# Altium PCB PCB1.PcbDoc (part 2 of 2)
Units mil, origin at the board's own origin, x right, y up, seen from the top; angles counter-clockwise.
Board outline 3150 x 2250 mil, 2 copper layers (Top Layer, Bottom Layer); 106 components, 101 nets, 473 pads, 166 vias.
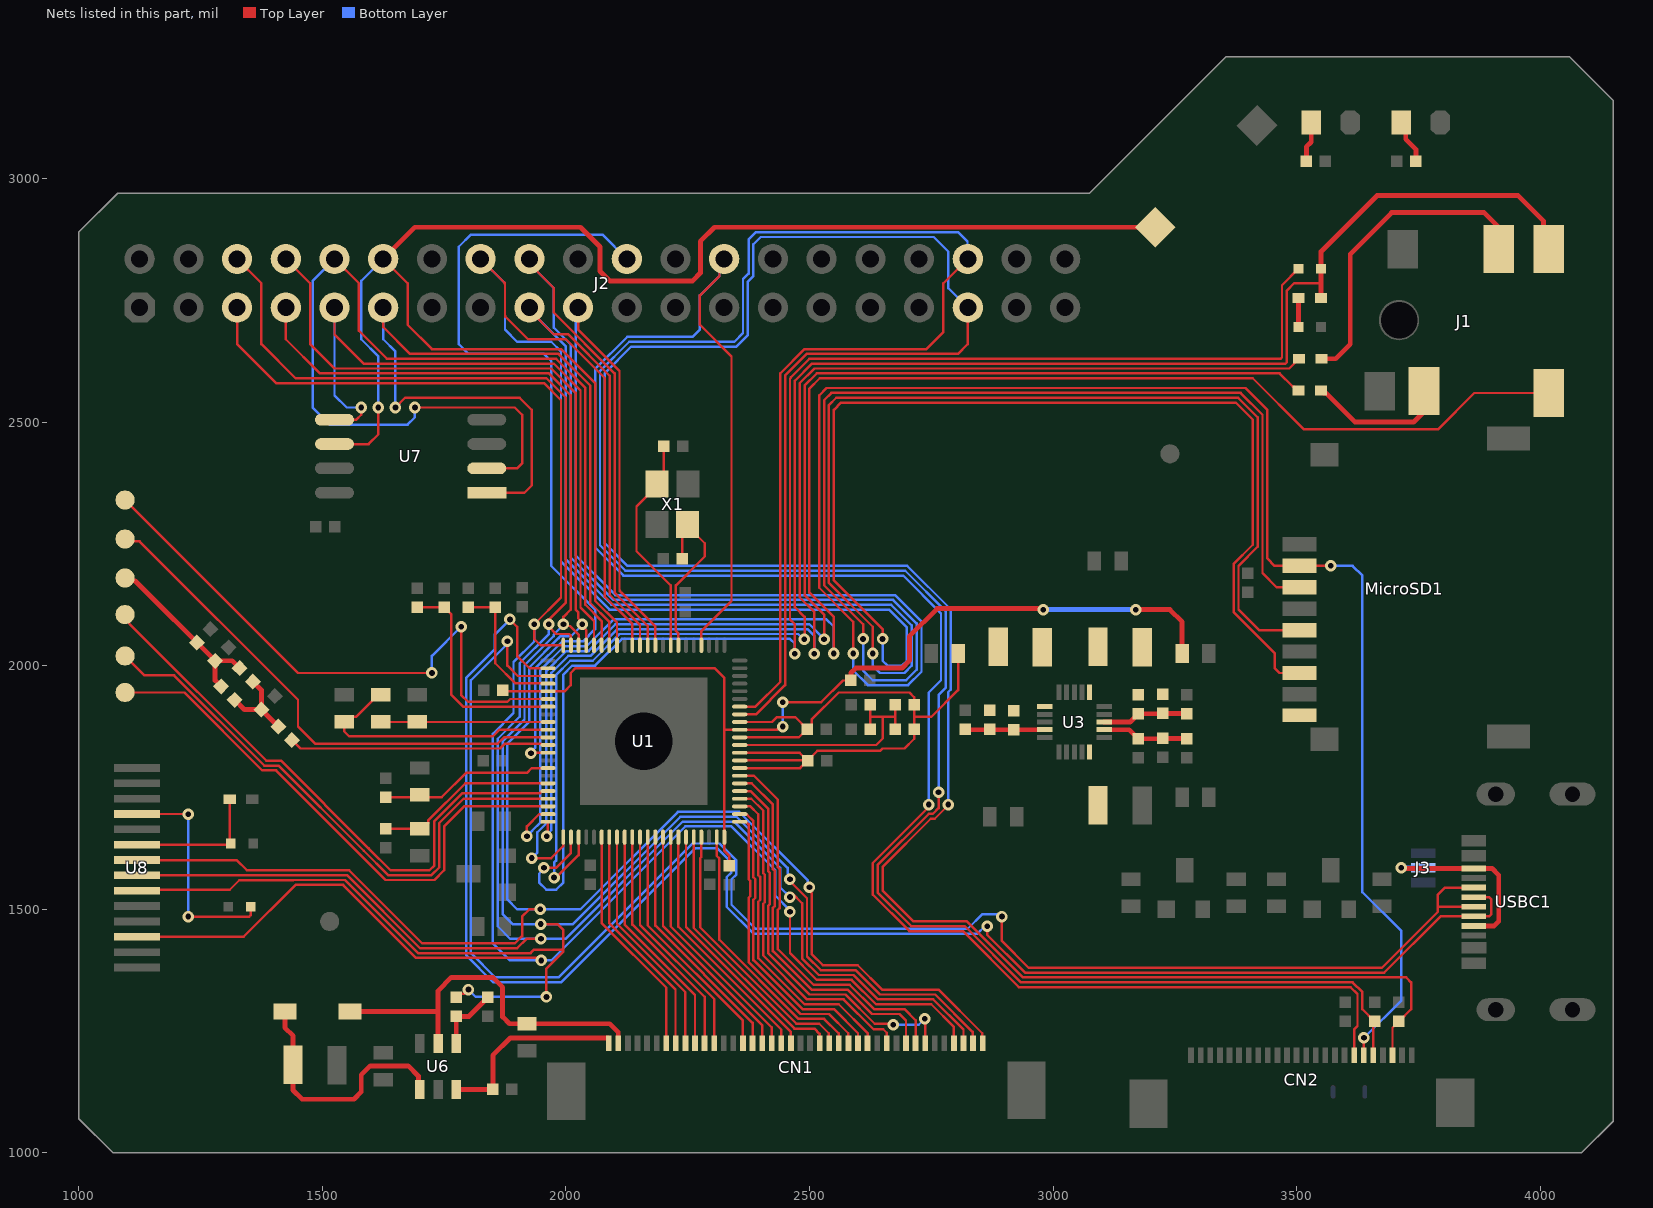
[diagram p2: the nets of this part, all layers, seen from the top]

## Via types
v1: diameter 23.62, hole 11.81, Top Layer to Bottom Layer, tented both sides, 164 vias
v2: diameter 39.37, hole 39.37, Top Layer to Bottom Layer, tented both sides, 2 vias

## Nets (pads, with @x,y where several pads share a name; then routed paths per layer and width w, separated by ;. In a path a pad name is that pad's centre, name@x,y a point inside that pad or via, vN(x,y) a via of type N, cw(c..) or ccw(c..) an arc to the next point about the centre after c; other vN are vias at no path point) (continued)
CSI_RST: CN2.19 J2.19 MicroSD1.2 U1.54 | length 5410
  Top Layer w5: J2.19@2025,2735 2025,2690 2110,2605 2110,2156.07 ; U1.54@2183.62,2041.85 2183.62,2080.37 2115.02,2148.98 2111.46,2152.53 ; v1(2590,2025) 2590,2090 2520,2160 2520,2555 2535,2570 3395,2570 3440,2525 3440,2220 3455,2205 MicroSD1.2@3506,2205 v1(3570,2205) ; CN2.19@3637.8,1200 3637.8,1232.8 3638.17,1233.17 v1(3638.17,1236.22) ; 2110,2156.07 ccw(c2115,2156.07) 2111.46,2152.53 ; 2110,2156.07 ccw(c2115,2156.07) 2111.46,2152.53
  Bottom Layer w5: J2.19@2025,2735 2020,2730 2020,2226.57 2101.57,2145 2675.86,2145 2730,2090.86 2730,1987.43 2702.57,1960 2620,1960 2590,1990 v1(2590,2025) ; v1(3570,2205) 3615,2205 3635,2185 3635,1535 3715,1455 3715,1313.05 v1(3638.17,1236.22)
CSI_SCL: CN2.20 J2.36 R20.1 U1.38 | length 5285.7
  Top Layer w5: U1.38@2356.85,1915.87 2389.15,1915.87 2440,1966.72 2440,2600 2490,2650 2740,2650 2775,2685 2775,2785 J2.36@2825,2835 ; v1(2765,1740) 2765,1707.69 2753,1695.69 2744.83,1695.69 2640,1590.86 2640,1534.14 2709.14,1465 2819.14,1465 2934.14,1350 3615,1350 3635,1330 3635,1294.8 R20.1@3660,1269.8 3657.48,1267.28 CN2.20@3657.48,1200
  Bottom Layer w5: v1(2765,1740) 2765,1940 2780,1955 2780,2111.57 2696.57,2195 2122.28,2195 2070,2247.28 2070,2604.85 2130.15,2665 2345.86,2665 2363.5,2682.64 2363.5,2793.5 2375,2805 2375,2875 2390,2890 2805,2890 2824.43,2870.57 2824.43,2835.57 J2.36@2825,2835
CSI_SDA: CN2.22 J2.35 R21.1 U1.37 | length 5382.1
  Top Layer w5: U1.37@2356.85,1900.12 2390.12,1900.12 2450,1960 2450,2595.86 2494.14,2640 2805,2640 2825,2660 J2.35@2825,2735 ; v1(2785,1715) 2785,1713.55 2757.14,1685.69 2748.97,1685.69 2650,1586.72 2650,1538.28 2713.28,1475 2823.28,1475 2938.28,1360 3725,1360 3735,1350 3735,1294.8 R21.1@3710,1269.8 3696.85,1256.65 CN2.22@3696.85,1200
  Bottom Layer w5: v1(2785,1715) 2785,1945.86 2790,1950.86 2790,2115.71 2700.71,2205 2126.42,2205 2080,2251.42 2080,2600.71 2134.29,2655 2350,2655 2373.5,2678.5 2373.5,2788.5 2385,2800 2385,2865 2400,2880 2755,2880 2785,2850 2785,2775 J2.35@2825,2735
CSI_VSYNC: CN2.18 J2.26 U1.48 | length 4256.4
  Top Layer w5: U1.48@2278.11,2041.85 2278.11,2071.11 2340,2133 2340,2635 2275,2700 2275,2760 2315.28,2800.28 2315.28,2825.28 J2.26@2325,2835 ; v1(2745,1715) 2745,1710 2630,1595 2630,1530 2705,1455 2815,1455 2930,1340 3610.86,1340 3625,1325.86 3625,1260 3618.11,1253.11 CN2.18@3618.11,1200
  Bottom Layer w5: J2.26@2325,2835 2315.28,2825.28 2315.28,2800.28 2275,2760 2275,2690 2260,2675 2126.01,2675 2060,2608.99 2060,2243.14 2118.14,2185 2692.43,2185 2770,2107.43 2770,1970 2745,1945 v1(2745,1715)
FM_INL: T4.1 U1.84 | length 1212.1
  Top Layer w5: T4.1@1095,2105 1095,2095.7 1104.22,2086.48 1104.22,2085.78 1385,1805 1415,1805 1595,1625 1640,1580 1720,1580 1730,1590 1730,1680.86 1787.48,1738.34 1946.97,1738.34 1951.27,1742.64 U1.84@1963.15,1742.64
FM_INR: T5.1 U1.85 | length 1172.8
  Top Layer w5: T5.1@1095,2020 1135,1980 1195.86,1980 1380.86,1795 1410,1795 1585,1620 1635,1570 1724.14,1570 1740,1585.86 1740,1676.72 1790.17,1726.89 U1.85@1963.15,1726.89
GPIO_PA0: CN1.37 J2.5 U1.66 U8.12 | length 4373.1
  Top Layer w5: U8.12@1120,1443.5 1338.5,1443.5 1445,1550 1542.57,1550 1692.57,1400 1939.41,1400 1944.51,1394.9 v1(1949.55,1394.9) ; J2.5@1325,2735 1325,2660 1405,2580 1955,2580 1990,2545 1990,2140 v1(1935,2085) 1935,2055 1948.15,2041.85 U1.66@1994.65,2041.85 ; v1(2460,1495) 2460,1504.27 2460,1410 2515,1355 2586.57,1355 2636.57,1305 2750,1305 2796.54,1258.46 CN1.37@2796.54,1225
  Bottom Layer w5: v1(1935,2085) 1935,2050 1892.5,2007.5 1892.5,1902.5 1850,1860 1850,1430 1885.1,1394.9 v1(1949.55,1394.9) 1949.65,1395 1970,1395 2245,1670 2340,1670 2430,1580 2430,1527.69 2460,1497.69 v1(2460,1495)
GPIO_PA1: CN1.38 J2.6 U1.65 U8.8 | length 4356.4
  Top Layer w5: U8.8@1120,1569.49 1436.2,1569.49 1436.72,1570 1550.86,1570 1700.86,1420 1900,1420 1919.27,1439.27 v1(1948.88,1439.27) ; J2.6@1325,2835 1375,2785 1375,2660 1445,2590 1960,2590 2000,2550 2000,2130 1965,2095 v1(1965,2085) 1965,2080 1979.9,2065.1 2006.78,2065.1 2010.39,2061.48 U1.65@2010.39,2041.85 ; v1(2460,1525) 2460,1528.96 2464.18,1533.13 2485,1512.31 2485,1399.14 2519.14,1365 2590.71,1365 2640.71,1315 2754.14,1315 2816.22,1252.92 CN1.38@2816.22,1225
  Bottom Layer w5: v1(1965,2085) 1965,2065 1905.07,2005.07 1905.07,1895.07 1860,1850 1860,1465 1885.73,1439.27 v1(1948.88,1439.27) 1999.27,1439.27 2240,1680 2345,1680 2389.17,1635.83 2440,1585 2440,1545 v1(2460,1525)
GPIO_PA2: CN1.39 J2.7 R14.1 U1.64 U8.9 | length 4583.1
  Top Layer w5: U8.9@1120,1537.99 1142.99,1537.99 1145,1540 1310,1540 1329.49,1559.49 1440.35,1559.49 1440.86,1560 1546.72,1560 1696.72,1410 1927.5,1410 1934.72,1417.22 1994.09,1417.22 1995,1416.31 ; J2.7@1425,2735 1425,2670 1495,2600 1965,2600 2010,2555 2010,2115 1995,2100 v1@1995,2090 ; R14.1@1775,1319 1782.38,1326.38 1791.38,1326.38 v1(1800,1335) ; v1(1948.35,1469.57) 1983.06,1469.57 1995,1457.63 1995,1416.31 ; v1(1960,1320) 1960,1378.04 1995,1413.04 1995,1416.31 ; v1(1995,2085) 1998.56,2081.44 2008.56,2081.44 2026.14,2063.86 U1.64@2026.14,2041.85 ; v1@2456.35,1561.35 2495,1522.69 2495,1403.28 2523.28,1375 2594.85,1375 2644.85,1325 2758.28,1325 2835.04,1248.25 2835.04,1225.87 CN1.39@2835.91,1225
  Bottom Layer w5: v1(1800,1335) 1815,1320 v1(1960,1320) ; v1(1995,2085) 1995,2083.99 1975,2063.99 1975,2060.86 1915.07,2000.93 1915.07,1889.22 1870,1844.14 1870,1490 1890.43,1469.57 v1(1948.35,1469.57) 2014.57,1469.57 2235,1690 2350,1690 2455,1585 2455,1573.59 2456.44,1572.15 v1@2456.44,1561.44
  other v1: 2460,1561.35
GPIO_PA3: CN1.40 J2.8 U1.63 U8.7 | length 4259.4
  Top Layer w5: U8.7@1120,1600.98 1324.02,1600.98 1345,1580 1555,1580 1705,1430 1895,1430 1910,1445 1910,1485 1925,1500 v1(1947.5,1500) ; J2.8@1425,2835 1475,2785 1475,2660 1525,2610 1970,2610 2020,2560 2020,2115 2025,2110 2025,2097.24 2033.45,2088.8 v1(2033.45,2085) ; v1@2031.72,2083.28 2041.89,2073.11 U1.63@2041.89,2041.85 ; v1(2500,1545) 2503.56,1541.44 2503.56,1534.2 2505,1532.76 2505,1407.43 2527.43,1385 2598.99,1385 2648.99,1335 2765,1335 2854.68,1245.32 2854.68,1225.91 CN1.40@2855.59,1225
  Bottom Layer w5: v1(2033.45,2085) 2033.45,2083.45 2010,2060 1987.93,2060 1985,2057.07 1985,2056.72 1925.07,1996.79 1925.07,1885.07 1880,1840 1880,1520 1900,1500 v1(1947.5,1500) 2030,1500 2230,1700 2355.81,1700 2496.75,1559.06 2496.75,1548.25 v1(2500,1545)
GPIO_PC0: J2.12 S1.1 U1.59 U7.6 | length 3409.3
  Top Layer w5: U7.6@1525,2455 1595,2455 1615,2475 v1(1615,2530) ; J2.12@1625,2835 1675,2785 1675,2700 1725,2650 1990,2650 2060,2580 2060,2133.28 2104.88,2088.4 U1.59@2104.88,2041.85
  Top Layer w10: J2.12@1625,2835 1690,2900 2030,2900 2070,2860 2070,2810 2090,2790 2260,2790 2276.13,2806.13 2276.13,2871.13 2305,2900 3174.64,2900 3174.98,2899.67 3209.67,2899.67 S1.1@3210,2900
  Bottom Layer w5: v1(1615,2530) 1615,2635 1580,2670 1580,2790 J2.12@1625,2835
GPIO_PC1: J2.11 U1.60 U7.1 | length 1831.7
  Top Layer w5: J2.11@1625,2735 1625,2695 1680,2640 1985,2640 2050,2575 2050,2129.14 2089.13,2090.01 U1.60@2089.13,2041.85 ; v1(1650,2530) 1670,2550 1905,2550 1930,2525 1930,2370 1915,2355 U7.1@1837.6,2355
  Bottom Layer w5: J2.11@1625,2735 1625,2670 1650,2645 v1(1650,2530)
GPIO_PC2: J2.10 U1.61 U7.2 | length 2201
  Top Layer w5: J2.10@1525,2835 1575,2785 1575,2687.5 1632.5,2630 1980,2630 2040,2570 2040,2125 2073.39,2091.61 U1.61@2073.39,2041.85 ; v1(1690,2530) 1895,2530 1910,2515 1910,2415 1900,2405 U7.2@1837.6,2405
  Bottom Layer w5: J2.10@1525,2835 1480,2790 1480,2530 1515,2495 1675,2495 1690,2510 v1(1690,2530)
GPIO_PC3: J2.9 U1.62 U7.5 | length 1462
  Top Layer w5: U7.5@1525,2505 1570,2505 1580,2515 v1(1580,2530) ; J2.9@1525,2735 1525,2679.57 1584.57,2620 1975,2620 2030,2565 2030,2119.14 2057.64,2091.5 U1.62@2057.64,2041.85
  Bottom Layer w5: J2.9@1525,2735 1525,2555 1550,2530 v1(1580,2530)
GPIO_PF1: J2.16 MicroSD1.7 U1.57 | length 4647.8
  Top Layer w5: J2.16@1825,2835 1873.54,2786.46 ; U1.57@2136.38,2041.85 2136.38,2085.19 2080,2141.57 2080,2590 2000,2670 1922.29,2670 1877.05,2715.25 cw(c1880,2719.28) 1875,2719.28 1875,2782.93 ; v1(2650,2055) 2650,2075 2550,2175 2550,2525 2565,2540 3375,2540 3410,2505 3410,2248.37 3370.69,2209.06 3370.69,2110 3455,2025.69 3455,1995 3465,1985 MicroSD1.7@3506,1985 ; 1873.54,2786.46 cw(c1870,2782.93) 1875,2782.93 ; 1873.54,2786.46 cw(c1870,2782.93) 1875,2782.93
  Bottom Layer w5: J2.16@1825,2835 1875,2785 1875,2690 1900,2665 1970,2665 1990,2645 1990,2214.14 2089.14,2115 2663.43,2115 2700,2078.43 2700,2010 2690,2000 2660,2000 2650,2010 v1(2650,2055)
GPIO_PF2: J2.17 MicroSD1.5 U1.56 | length 4322.7
  Top Layer w5: J2.17@1925,2735 1925,2730 1975,2680 2005,2680 2090,2595 2090,2145.71 2152.13,2083.58 U1.56@2152.13,2041.85 ; v1(2630,2025) 2630,2080 2540,2170 2540,2535 2555,2550 3380,2550 3420,2510 3420,2244.23 3380.69,2204.92 3380.69,2115.24 3422.93,2073 MicroSD1.5@3506,2073
  Bottom Layer w5: J2.17@1925,2735 1925,2730 2000,2655 2000,2218.28 2093.28,2125 2667.57,2125 2710,2082.57 2710,2000 2695,1985 2645,1985 2630,2000 v1(2630,2025)
GPIO_PF3: J2.18 MicroSD1.3 U1.55 | length 4459.8
  Top Layer w5: J2.18@1925,2835 1925,2825 1975,2775 1975,2725 2100,2600 2100,2151.92 ; U1.55@2167.87,2041.85 2167.87,2081.98 2106.5,2143.36 2101.46,2148.39 ; v1(2610,2055) 2610,2085 2530,2165 2530,2545 2545,2560 3385,2560 3430,2515 3430,2190 3459,2161 MicroSD1.3@3506,2161 ; 2100,2151.92 ccw(c2105,2151.92) 2101.46,2148.39 ; 2100,2151.92 ccw(c2105,2151.92) 2101.46,2148.39
  Bottom Layer w5: J2.18@1925,2835 1925,2825 1975,2775 1975,2694.14 2010,2659.14 2010,2222.43 2097.43,2135 2671.72,2135 2720,2086.72 2720,1991.57 2698.43,1970 2630,1970 2610,1990 v1(2610,2055)
HPCOM: C33.1 J1.2 R11.2 U1.3 | length 3544.7
  Top Layer w5: v1(1975.69,1565) 1980,1565 2026.14,1611.14 U1.3@2026.14,1648.15 ; v1(2489.31,2054.24) 2489.31,2054.31 2490,2055 2490,2100 2470,2120 2470,2585 2505,2620 3477.07,2620 3480,2622.93 3480,2770 3495,2785 3550,2785
  Top Layer w10: C33.1@3550,2755 3550,2785 R11.2@3550,2815 3550,2850 3665,2965 3955,2965 4006.65,2913.35 4006.65,2865.72 J1.2@4017.36,2855
  Bottom Layer w5: v1(1975.69,1565) 1975.69,1595.69 1980,1600 1980,1981.01 2008.99,2010 2055,2010 2110,2065 2477.07,2065 2487.83,2054.24 v1(2489.31,2054.24)
HPCOMFB: R11.1 U1.2 | length 2946.7
  Top Layer w5: v1(1955,1585) 1980,1585 2010.39,1615.39 U1.2@2010.39,1648.15 ; v1@2470,2025 2470,2085 2460,2095 2460,2589.14 2461.69,2590.84 2461.69,2591.69 2500,2630 3467.07,2630 3470,2632.93 3470,2781 R11.1@3504,2815
  Bottom Layer w5: v1(1955,1585) 1955,1582.76 1945,1572.76 1945,1555 1960,1540 1980,1540 1995,1555 1995,1981.86 2013.14,2000 2060,2000 2115,2055 2460,2055 2470,2045 v1@2470,2025
  other v1: 2470,2024.31
HPL: C40.2 U1.1 | length 2687.6
  Top Layer w5: v1(1930,1605) 1970,1605 1994.65,1629.65 U1.1@1994.65,1648.15 ; v1@2530,2055 2530,2105 2490,2145 2490,2575 2515,2600 3465,2600 3492.5,2572.5 3496.5,2572.5 C40.2@3504,2565
  Bottom Layer w5: v1(1930,1605) 1930,1605.41 1941.38,1616.79 1941.38,1658 1960,1676.62 1960,1989.29 2000.71,2030 2046.72,2030 2101.72,2085 2500,2085 v1@2530,2055
  other v1: 2530,2054.24
HPR: C36.1 U1.88 | length 2601.7
  Top Layer w5: v1(1960.69,1650) 1960.69,1654.39 1963.15,1656.85 U1.88@1963.15,1679.65 ; v1@2510,2025 2510,2110 2480,2140 2480,2580 2510,2610 3485,2610 C36.1@3505,2630
  Bottom Layer w5: v1(1960.69,1650) 1960.69,1652.93 1970,1662.24 1970,1985.15 2004.85,2020 2050.86,2020 2105.86,2075 2495.86,2075 2510,2060.86 v1@2510,2025
  other v1: 2510,2024.31
LCD_CLK: CN1.30 U1.26 | length 699.5
  Top Layer w5: U1.26@2356.85,1726.89 2380.54,1726.89 2405,1702.43 2405,1574.05 2408.62,1570.43 2408.62,1514.81 2405,1511.18 2405,1405 2495,1315 2570,1315 2631.46,1253.54 2651.59,1253.54 2658.74,1246.39 CN1.30@2658.74,1225
LCD_D2: CN1.7 U1.6 | length 478.1
  Top Layer w5: U1.6@2073.39,1648.15 2073.39,1471.61 2205.98,1339.02 CN1.7@2205.98,1225
LCD_D3: CN1.8 U1.7 | length 479.7
  Top Layer w5: U1.7@2089.13,1648.15 2089.13,1470.87 2225,1335 2225,1225.67 CN1.8@2225.67,1225
LCD_D4: CN1.9 U1.8 | length 481.3
  Top Layer w5: U1.8@2104.88,1648.15 2104.88,1470.12 2245.35,1329.65 CN1.9@2245.35,1225
LCD_D5: CN1.10 U1.9 | length 483
  Top Layer w5: U1.9@2120.63,1648.15 2120.63,1468.51 2265.04,1324.1 CN1.10@2265.04,1225
LCD_D6: CN1.11 U1.10 | length 484.6
  Top Layer w5: U1.10@2136.38,1648.15 2136.38,1468.62 2284.72,1320.28 CN1.11@2284.72,1225
LCD_D7: CN1.12 U1.11 | length 486.2
  Top Layer w5: U1.11@2152.13,1648.15 2152.13,1467.87 2304.41,1315.59 CN1.12@2304.41,1225
LCD_D10: CN1.15 U1.12 | length 504.2
  Top Layer w5: U1.12@2167.87,1648.15 2167.87,1467.13 2363.46,1271.54 CN1.15@2363.46,1225
LCD_D11: CN1.16 U1.13 | length 505.8
  Top Layer w5: U1.13@2183.62,1648.15 2183.62,1466.38 2383.15,1266.85 CN1.16@2383.15,1225
LCD_D12: CN1.17 U1.14 | length 507.4
  Top Layer w5: U1.14@2199.37,1648.15 2199.37,1465.63 2402.83,1262.17 CN1.17@2402.83,1225
LCD_D13: CN1.18 U1.15 | length 509.1
  Top Layer w5: U1.15@2215.12,1648.15 2215.12,1464.88 2422.52,1257.48 CN1.18@2422.52,1225
LCD_D14: CN1.19 U1.16 | length 510.7
  Top Layer w5: U1.16@2230.87,1648.15 2230.87,1464.13 2442.2,1252.8 CN1.19@2442.2,1225
LCD_D15: CN1.20 U1.17 | length 512.3
  Top Layer w5: U1.17@2246.61,1648.15 2246.61,1463.39 2461.89,1248.11 CN1.20@2461.89,1225
LCD_D18: CN1.23 U1.18 | length 554.2
  Top Layer w5: U1.18@2262.36,1648.15 2262.36,1461.78 2469.14,1255 2510,1255 2520.94,1244.06 CN1.23@2520.94,1225
LCD_D19: CN1.24 U1.19 | length 561.3
  Top Layer w5: U1.19@2278.11,1648.15 2278.11,1607.34 2275.69,1604.92 2275.69,1462.6 2473.28,1265 2520,1265 2539.68,1245.32 2539.68,1225.95 CN1.24@2540.63,1225
LCD_D20: CN1.25 U1.21 | length 557.8
  Top Layer w5: U1.21@2309.61,1648.15 2309.61,1609.62 2315,1604.23 2315,1437.43 2477.43,1275 2530,1275 2559.68,1245.32 2559.68,1225.64 CN1.25@2560.32,1225
LCD_D21: CN1.26 U1.23 | length 591.7
  Top Layer w5: U1.23@2356.85,1679.65 2369.44,1679.65 2375,1674.08 2375,1561.62 2378.62,1558 2378.62,1527.23 2375,1523.61 2375,1391.57 2481.57,1285 2540,1285 2579.68,1245.32 2579.68,1225.32 CN1.26@2580,1225
LCD_D22: CN1.27 U1.24 | length 619.7
  Top Layer w5: U1.24@2356.85,1695.39 2369.44,1695.39 2370.88,1693.96 2371.97,1693.96 2385,1680.93 2385,1565.76 2388.62,1562.14 2388.62,1523.09 2385,1519.47 2385,1395.71 2485.71,1295 2550,1295 2599.68,1245.32 CN1.27@2599.69,1225
LCD_D23: CN1.28 U1.25 | length 651.9
  Top Layer w5: U1.25@2356.85,1711.14 2378.86,1711.14 2395,1695 2395,1569.9 2398.62,1566.28 2398.62,1518.95 2395,1515.33 2395,1399.85 2489.85,1305 2560,1305 2619.37,1245.63 CN1.28@2619.37,1225
LCD_DE: CN1.34 U1.27 | length 812.4
  Top Layer w5: U1.27@2356.85,1742.64 2378.93,1742.64 2415,1706.57 2415,1578.19 2418.62,1574.57 2418.62,1510.66 2415,1507.04 2415,1410 2500,1325 2574.14,1325 2634.14,1265 2671.77,1265 v1(2671.77,1262.89) ; v1(2736.86,1275.3) 2737.48,1274.68 CN1.34@2737.48,1225
  Bottom Layer w5: v1(2671.77,1262.89) 2724.45,1262.89 v1(2736.86,1275.3)
LCD_HSYNC: CN1.32 U1.28 | length 768.9
  Top Layer w5: U1.28@2356.85,1758.39 2381.61,1758.39 2425,1715 2425,1582.33 2428.62,1578.71 2428.62,1506.52 2425,1502.9 2425,1414.14 2504.14,1335 2578.28,1335 2628.28,1285 2685,1285 2698.11,1271.89 CN1.32@2698.11,1225
LCD_VSYNC: CN1.33 U1.29 | length 798.7
  Top Layer w5: U1.29@2356.85,1774.13 2385.87,1774.13 2435,1725 2435,1586.47 2438.62,1582.85 2438.62,1502.38 2435,1498.76 2435,1418.28 2508.28,1345 2582.43,1345 2632.43,1295 2695,1295 2717.8,1272.2 CN1.33@2717.8,1225
LEDA: C30.1 CN1.2 D1.2 U6.5 | length 774.8
  Top Layer w10: D1.2@1556.93,1290 1737.6,1290 ; U6.5@1737.6,1224.49 1737.6,1290 ; CN1.2@2107.56,1225 2107.35,1225.21 2107.35,1247.65 2090,1265 1910,1265 1884.17,1265 1870,1279.17 1870,1340 1850,1360 1765,1360 1737.6,1332.6 1737.6,1290
LEDK: CN1.1 R16.2 U6.3 | length 396.8
  Top Layer w10: U6.3@1775,1130 R16.2@1850,1130 1850,1200 1885.75,1235.75 CN1.1@2086.97,1235.75
LINE_IN: T6.1 U1.86 | length 1142.9
  Top Layer w5: T6.1@1095,1945 1216.72,1945 1376.72,1785 1405,1785 1630,1560 1730,1560 1750,1580 1750,1670 1791.14,1711.14 U1.86@1963.15,1711.14
LRADC: J2.22 U1.79 | length 1737.9
  Top Layer w5: v1(1928.19,1820) 1929.02,1820.83 1962.6,1820.83 U1.79@1963.15,1821.38
  Bottom Layer w5: v1(1928.19,1820) 1928.19,1822.93 1937.5,1832.24 1937.5,1995.07 1992.43,2050 2035,2050 2060,2075 2060,2115 1970,2205 1970,2625 1955,2640 1800,2640 1780,2660 1780,2860 1805,2885 2075,2885 J2.22@2125,2835
MIC_IN: J1.3 U1.87 | length 3298
  Top Layer w5: v1(1920,1650) 1920,1670 1945.28,1695.28 1963.04,1695.28 U1.87@1963.15,1695.39 ; v1(2550,2025) 2550,2100 2500,2150 2500,2568.87 2521.13,2590 2530,2590 3410,2590 3515,2485 3790,2485 3864.72,2559.72 J1.3@4017.36,2559.72
  Bottom Layer w5: v1(1920,1650) 1920,1650.41 1931.38,1661.79 1931.38,1662.14 1947.5,1678.26 1947.5,1990.93 1996.57,2040 2042.57,2040 2097.57,2095 2535,2095 2550,2080 v1(2550,2025)
NetC5_2: C5.2 R3.1 R5.1 U3.2 | length 178.3
  Top Layer w10: U3.2@3105,1868.5 3156.5,1868.5 R3.1@3175,1850 3224.2,1850 C5.2@3225,1850.8 3274.2,1850.8 R5.1@3275,1850
NetC8_2: C8.2 R4.1 R6.1 U3.14 | length 163.5
  Top Layer w10: R4.1@2819.85,1869.38 2820.71,1868.51 U3.14@2983,1868.51
NetC11_2: C11.2 R7.1 R8.2 U3.3 | length 177.8
  Top Layer w10: U3.3@3105,1884.25 3158.06,1884.25 R8.2@3175,1901.2 3224.2,1901.2 C11.2@3225,1902 3274,1902 R7.1@3275,1901
NetC31_2: C31.2 U1.52 X1.3 | length 460.4
  Top Layer w5: C31.2@2201,2450 2201,2387 X1.3@2187,2373 2187,2369.06 2145,2327.06 2145,2235 2215.12,2164.88 U1.52@2215.12,2041.85
NetC33_2: C33.2 R12.1 | length 60
  Top Layer w10: R12.1@3504,2695 C33.2@3504,2755
NetC34_1: C34.1 C37.2 C42.1 FB1.2 | length 177.3
  Top Layer w10: C34.1@1320,1929.79 1339.79,1910 C42.1@1375,1910 ; FB1.2@1357.58,1967.42 1375,1950 C42.1@1375,1910 ; C37.2@1410,1875 C42.1@1375,1910
NetC35_2: C35.2 U1.51 X1.1 | length 363.9
  Top Layer w5: U1.51@2230.87,2041.85 2230.87,2066.38 2225.69,2071.55 2225.69,2164.92 2285,2224.23 2285,2251.41 2250,2286.41 X1.1@2250,2290 2239,2279 C35.2@2239,2220
NetC36_2: C36.2 J1.4 | length 654.1
  Top Layer w10: C36.2@3551,2630 3580,2630 3610,2660 3610,2845 3695,2930 3885,2930 3915,2900 J1.4@3915,2855
NetC40_1: C40.1 J1.6 | length 289.5
  Top Layer w10: C40.1@3550,2565 3555,2560 3560,2560 3620,2500 3740,2500 3761.46,2521.46 J1.6@3761.46,2563.66
NetC45_1: C45.1 R25.2 U8.6 | length 284.9
  Top Layer w5: U8.6@1120,1632.48 1309.48,1632.48 R25.2@1312,1635 1310,1637 C45.1@1310,1725.98
NetD1_1: D1.1 L4.2 U6.1 | length 520.1
  Top Layer w10: D1.1@1423.07,1290 1423.07,1256.93 1440,1240 1440,1180.99 L4.2@1439.64,1180.63 1439.82,1180.45 1439.82,1128.78 1458.6,1110 1565,1110 1580,1125 1580,1160 1598.51,1178.51 1676.49,1178.51 1697.23,1157.77 1697.23,1132.97 U6.1@1700.2,1130
NetDS1_1: DS1.1 R23.1 | length 84.1
  Top Layer w10: R23.1@3520,3035 3520,3065 3530,3075 DS1.1@3530,3115
NetDS2_1: DS2.1 R24.1 | length 92.4
  Top Layer w10: DS2.1@3715,3115 3724.14,3105.86 3724.14,3080.86 3745,3060 R24.1@3745,3035
NetJ3_2: J3.2 USBC1.A5 USBC1.B5 | length 401.4
  Top Layer w10: v1(3715,1585) 3716.1,1583.9 USBC1.B5@3863.62,1583.9 3901.1,1583.9 3915,1570 3915,1475 3905.79,1465.79 USBC1.A5@3863.62,1465.79
  Bottom Layer w10: v1(3715,1585) J3.2@3760,1585
NetL1_2: L1.2 U3.20
NetL2_1: L2.1 U3.11
NetL3_2: L3.2 U3.6
NetR13_2: R13.2 R14.2 U6.4 | length 136.7
  Top Layer w10: U6.4@1775,1224.49 R14.2@1775,1280 1801,1280 R13.2@1840,1319
NetR22_2: R22.2 U8.4 | length 461.5
  Top Layer w5: U8.4@1120,1695.47 1224.53,1695.47 v1(1225,1695) ; v1(1225,1485) 1350.07,1485 1353,1487.93 R22.2@1353,1505
  Bottom Layer w5: v1(1225,1485) v1(1225,1695)
RST_N: C18.2 R9.1 U1.70 | length 295.5
  Top Layer w5: R9.1@1800,2120 C18.2@1855,2120 1855,2005 1896.34,1963.66 1962.6,1963.66 U1.70@1963.15,1963.11
SD_Dectec: MicroSD1.9
SVREF: C38.1 C39.2 R17.1 R18.2 U1.33 | length 494.7
  Top Layer w5: U1.33@2356.85,1837.13 2637.13,1837.13 2650.5,1850.5 2650.5,1895 ; C39.2@2625,1870 2625,1895 ; R18.2@2625,1920 2625,1895 ; C38.1@2676,1870 2676,1895 ; R17.1@2676,1920 2676,1895 ; 2625,1895 2650.5,1895 ; 2650.5,1895 2676,1895
TV_IN0: C37.1 U1.78 | length 538.1
  Top Layer w5: C37.1@1437.58,1847.42 1455,1830 1865,1830 1875,1840 1947.69,1840 1950.56,1837.13 U1.78@1963.15,1837.13
TV_IN1: T1.1 U1.77 | length 1074.2
  Top Layer w5: T1.1@1102.07,2263.81 1110.88,2255 1125,2255 1450,1930 1450,1875 1485,1840 1860,1840 1872.87,1852.87 U1.77@1963.15,1852.87
TV_INPUT: C34.2 C41.1 FB1.1 R15.2 T3.1 | length 369.4
  Top Layer w10: T3.1@1095,2180 1100.62,2174.38 1115.46,2174.38 1279.84,2010 C41.1@1280,2010 ; C34.2@1292.42,1957.37 1280,1969.79 C41.1@1280,2010 ; FB1.1@1330,1995 1315,2010 C41.1@1280,2010
TV_OUT: T2.1 U1.72 | length 1223.2
  Top Layer w5: T2.1@1095,2340 1450,1985 v1(1724.94,1985) ; v1(1785,2080) 1785,1940 1799.13,1925.87 1880.09,1925.87 1885.84,1931.61 U1.72@1963.15,1931.61
  Bottom Layer w5: v1(1724.94,1985) 1725,1985.06 1725,2020 v1(1785,2080)
TV_VRN: C10.1 C15.1 U1.75 | length 343.4
  Top Layer w5: C10.1@1620,1884.88 1620.51,1884.37 U1.75@1963.15,1884.37
TV_VRP: C7.1 C10.2 U1.76 | length 545.8
  Top Layer w5: C10.2@1620,1940 1614.09,1940 1602.81,1928.72 1602.81,1928.57 1569.16,1894.91 1554.91,1894.91 C7.1@1545,1885 1545,1865 1555,1855 1850,1855 1863.62,1868.62 U1.76@1963.15,1868.62
USB_DM: U1.68 USBC1.A7 USBC1.B7 | length 3436.9
  Top Layer w5: v1(1885,2095) 1900,2080 1900,2020 1925.39,1994.61 U1.68@1963.15,1994.61 ; v1(2865,1465) 2865,1447.43 2942.43,1370 3680,1370 3795.47,1485.47 USBC1.B7@3863.68,1485.47 3895.47,1485.47 3900,1490 3900,1520 3895,1525 3863.84,1525 USBC1.A7@3863.68,1524.84
  Bottom Layer w5: v1(1885,2095) 1854.29,2064.29 1854.29,2034.29 1795,1975 1795,1405.86 1850.86,1350 1990,1350 2265,1625 2310.86,1625 2339.62,1596.24 2339.62,1575.38 2330,1565.76 2330,1505 2385,1450 2844.96,1450 2859.96,1465 v1(2865,1465)
USB_DP: U1.69 USBC1.A6 USBC1.B6 | length 3395.6
  Top Layer w5: v1(1880,2050) 1880,2000 1901.14,1978.86 U1.69@1963.15,1978.86 ; v1(2895,1485) 2895,1435 2950,1380 3675,1380 3790,1495 3790,1505.16 ; USBC1.A6@3863.62,1505.16 3790,1505.16 ; USBC1.B6@3863.62,1544.53 3804.53,1544.53 3790,1530 3790,1505.16
  Bottom Layer w5: v1(1880,2050) 1880,2045 1805,1970 1805,1410 1855,1360 1985,1360 2260,1635 2315,1635 2350,1600 2350,1571.62 2340,1561.62 2340,1509.14 2389.14,1460 2825,1460 2855,1490 2890,1490 v1(2895,1485)
VCC_DRAM: C8.1 C9.1 C19.2 C20.2 C38.2 L2.2 R6.2 R17.2 U1.30 U1.31 U1.32 U1.34 U1.36 | length 1498.9
  Top Layer w5: U1.30@2356.85,1789.88 2480.88,1789.88 C19.2@2496,1805 ; U1.31@2356.85,1805.63 C19.2@2495.37,1805.63 ; U1.32@2356.85,1821.38 2479.62,1821.38 C19.2@2495.37,1805.63 ; U1.34@2356.85,1852.87 2477.87,1852.87 C20.2@2495,1870 ; U1.36@2356.85,1884.37 2423.37,1884.37 2433.31,1894.31 2470.69,1894.31 C20.2@2495,1870 ; C9.1@2805,2025 2805,1950 2750,1895 2715,1895 ; C20.2@2495,1870 2504.31,1879.31 2504.31,1889.31 2560,1945 2705,1945 2715,1935 R17.2@2715,1920 2715,1895 ; C19.2@2495.37,1805.63 C19.2@2496,1805 ; C19.2@2496,1805 2516,1825 2645,1825 2650,1830 2695,1830 2715,1850 C38.2@2715,1870 2715,1895
VCC_TV: C29.2 R10.1 U1.73 | length 449.4
  Top Layer w5: C29.2@1695,2120 R10.1@1750,2120 1765,2105 1765,1940 1789.13,1915.87 U1.73@1963.15,1915.87
VDD_CORE: C11.1 C14.2 C21.2 C22.2 C23.2 L3.1 R8.1 U1.22 U1.35 U1.71 | length 2075.1
  Top Layer w5: C21.2@1870,1950 1872.64,1947.36 U1.71@1963.15,1947.36 1997.36,1947.36 2010,1960 2010,1985 2020,1995 2305,1995 2325.35,1974.65 U1.22@2325.35,1648.15 2325.35,1619.65 2335,1610 C23.2@2335,1589 ; 2325.35,1868.62 U1.35@2356.85,1868.62 2433.58,1868.62 2439.96,1875 v1(2445,1875) ; v1(2445,1925) 2524,1925 2568.62,1969.62 2584.62,1969.62 C22.2@2585,1970
  Top Layer w10: C22.2@2585,1970 2585,1985 2595,1995 2690,1995 2705,2010 2705,2060 2762.09,2117.09 2977.91,2117.09 v1(2980,2115) ; v1(3170,2115) 3240,2115 3265,2090 3265,2025.12 C14.2@3264.88,2025
  Bottom Layer w5: v1(2445,1875) v1(2445,1925)
  Bottom Layer w10: v1(2980,2115) v1(3170,2115)
VRA1: C6.1 R2.2 U1.81 | length 353
  Top Layer w5: R2.2@1635,1730 1745,1730 1795,1780 1920,1780 1929.88,1789.88 U1.81@1963.15,1789.88
VRA2: C1.1 R1.2 U1.83 | length 375.2
  Top Layer w5: R1.2@1630,1665 1705.76,1665 1717.04,1676.28 1717.04,1682.04 1793.39,1758.39 U1.83@1963.15,1758.39
pads on no net: CN1.35 CN2.1 CN2.2 CN2.24 CN2.25 CN2.26 J1.0 J1.5 J1.7 MicroSD1.0 MP1.0 MP2.0 U8.1 U8.14 USBC1.A8 USBC1.B8
copper on no net:
  other v2: 3951,1966 3951,2281

## Polygon pours and split planes (outlines as drawn)
no net on Top Layer "NONET_L01_P021" (solid, pour order 21): 1080,2970
AGND on Top Layer "AGND_L01_P020" (solid, pour order 20): 2570,1935 2520,1885 2520,1855 2600,1855 2600,1935
+5V on Top Layer "+5V_L01_P018" (solid, pour order 18): 3017.26,1840 3017.26,1800 3038.61,1800 3038.61,1840 3064.44,1840 3064.44,1774.44 2960,1670 2910,1670 2910,1840
+5V on Top Layer "+5V_L01_P013" (solid, pour order 13): 3007.14,1965.76 3007.14,1930 3064.64,1930 3064.64,1965.76
AGND on Top Layer "AGND_L01_P007" (solid, pour order 7): 3010,1920 3010,1850 3080,1850 3080,1920
VCC_DRAM on Top Layer "VCC_DRAM_L01_P006" (solid, pour order 6): 2815,2005 2855,1965 2855,1895 2935,1895 2935,1970 2910,1995 2910,2080 2850,2080 2815,2045
CSI_IOVDD on Top Layer "CSI_IOVDD_L01_P005" (solid, pour order 5): 3160,1825 3160,1670 3280,1670 3280,1750 3240,1790 3240,1825
VDD_CORE on Top Layer "VDD_CORE_L01_P004" (solid, pour order 4): 3160,1925 3160,2080 3280,2080 3280,1995 3240,1955 3240,1925
NetL2_1 on Top Layer "NETL2_1_L01_P002" (solid, pour order 2): 3000,1910 3000,2080 2955,2080 2955,1910
NetL3_2 on Top Layer "NETL3_2_L01_P001" (solid, pour order 1): 3070,1930 3070,2080 3115,2080 3115,1930
NetL1_2 on Top Layer "NETL1_2_L01_P000" (solid, pour order 0): 3070,1840 3070,1670 3115,1670 3115,1840
AGND on Bottom Layer "AGND_L02_P019" (solid, remove dead copper, pour order 19): 1080,2970 1000,2890 1000,1070 1070,1000 4085,1000 4150,1065 4150,3160 4060,3250 3355,3250 3075,2970

## Keep-outs
Keep-Out Layer:
  lines w10: 1000,1070 1000,2890 1080,2970 3075,2970 3355,3250 4060,3250 4150,3160 4150,2970 4150,1065 4085,1000 1070,1000 1000,1070

## Silkscreen, mask and mechanical layers (free items; w line width, h text height)
Top Overlay:
  lines w20: 1010,1075 1075,1010 4080,1010 4140,1070 4140,3155 4055,3240 3360,3240 3080,2960 1085,2960 1010,2885 1010,1075
  text "3.3" at 1090,2905 h50
  text "G" at 1210,2905 h50
  text "A1" at 1295,2905 h50
  text "A3" at 1395,2905 h50
  text "C3" at 1495,2905 h50
  text "C0" at 1595,2905 h50
  text "G" at 1710,2905 h50
  text "F1" at 1805,2905 h50
  text "F3" at 1900,2905 h50
  text "F5" at 1980,2905 h50
  text "LRADC" at 2055,2905 h50
  text "G" at 2225,2905 h50
  text "E1" at 2300,2905 h50
  text "E3" at 2400,2905 h50
  text "E5" at 2500,2905 h50
  text "E7" at 2600,2905 h50
  text "E9" at 2700,2905 h50
  text "E11" at 2790,2905 h50
  text "G" at 2910,2905 h50
  text "5V" at 3000,2905 h50
  text "E4" at 2400,2635.97 h50
  text "5V" at 1100,2635.42 h50
  text "G" at 1210,2635 h50
  text "A0" at 1300,2635 h50
  text "A2" at 1400,2635.42 h50
  text "C3" at 1500,2635 h50
  text "C1" at 1600,2635 h50
  text "G" at 1715,2635 h50
  text "F0" at 1805,2635 h50
  text "F2" at 1905,2635 h50
  text "F4" at 2005,2635.42 h50
  text "G" at 2115,2635 h50
  text "E0" at 2195,2635.42 h50
  text "E2" at 2300,2635.42 h50
  text "E6" at 2500,2635.42 h50
  text "E8" at 2600,2635.42 h50
  text "E10" at 2690,2635.42 h50
  text "E12" at 2785,2635.42 h50
  text "G" at 2905,2635 h50
  text "3.3" at 2995,2635 h50
  text "Linux" at 2698.5,2389 h200
  text "ARM9" at 2755,2285 h120
  text "F1C100S" at 2320,1375 h200
  text "40P_LCD_Interface" at 2075,1270 h100
  text "CSI" at 3155,1245 h100
Bottom Overlay:
  lines w20: 1010,1655 2445,1655 2530,1570 2530,1010 ; 1015,2645 3030,2645 3090,2705 3090,2965 ; 3060,2960 4140,2960 ; 3390,2355 3390,2570 ; 3495,2080 3495,2565 ; 3530,1020 3535,1015 ; 3615,1760 3615,2565 ; 3872.5,1800 4047.5,1800 ; 3872.5,2185 4047.5,2185 ; 3872.5,2565 4047.5,2565 ; 1010,1075 1010,2890 1080,2960 3080,2960 3355,3235 4060,3235 4140,3155 4140,1070 4080,1010 1075,1010 1010,1075 ; 3530,2460 3530,2460
  text "2020-03-30" at 3975,2825 h150
  text "私、あなたが好きですこの世界でもあなたが好きで、" at 3260,2545 h100
  text "永" at 3783.23,2475 h150
  text "その他のいかなる人すべていっそうに比べてあなたが好きで、" at 3350,2465 h100
  text "永遠にすべてあなたが好きですあなた" at 2610,2375 h100
  text "遠" at 3783.23,2353.33 h150
  text "と出会った后にまだ1年足しますが、" at 2610,2275 h100
  text "の" at 3775,2230 h150
  text "しかし私のこの気持ちはいかなる人" at 2575,2175 h100
  text "く" at 3765,2110 h150
  text "に负けることはでき(ありえ)ないので、" at 2565,2070 h100
  text "ろ" at 3770,1990 h150
  text "たとえ私の体は腐っていますとしても、" at 2560,1985 h100
  text "で消えてなくなる后から" at 2010,1880 h100
  text "これが世界" at 2665,1875 h100
  text "ね" at 3780,1865 h150
  text "...... ......" at 2630,1795 h100
  text "来世まで着いて、" at 2000,1785 h100
  text "こ" at 3770,1745 h150
  text "てあなたに好きになります" at 1995,1695 h100
  text "私は依とし" at 2670,1695 h100
  text "CPU" at 2410,1550 h60
  text "Memory" at 1815,1545 h60
  text "•SIP 32MB DDR1" at 1815,1480 h60
  text "•ARM9 CPU architecture" at 2410,1476.67 h60
  text "•SD2.0,eMMC 4.41" at 1815,1410 h60
  text "•16KByte D-Cache" at 2410,1403.33 h60
  text "•32KByte I-Cache" at 2410,1330 h60
  text "1712298558" at 2430,1060 h60
Bottom Solder:
  lines w120: 1095,1945 1095,2340

## Text inside footprints (layer, text, board x,y; h text height)
J2: Top Overlay "39" at 3105,2715 h50; Top Overlay "40" at 3105,2815 h50; Top Overlay "2" at 1050,2820 h50; Top Overlay "1" at 1055,2715 h50